# Altium PCB Survey_bicycle_lqfp.PcbDoc
Units mil, origin at the board's own origin, x right, y up, seen from the top; angles counter-clockwise.
Board outline 2270 x 1450 mil, 2 copper layers (Top Layer, Bottom Layer); 80 components, 56 nets, 290 pads, 81 vias.
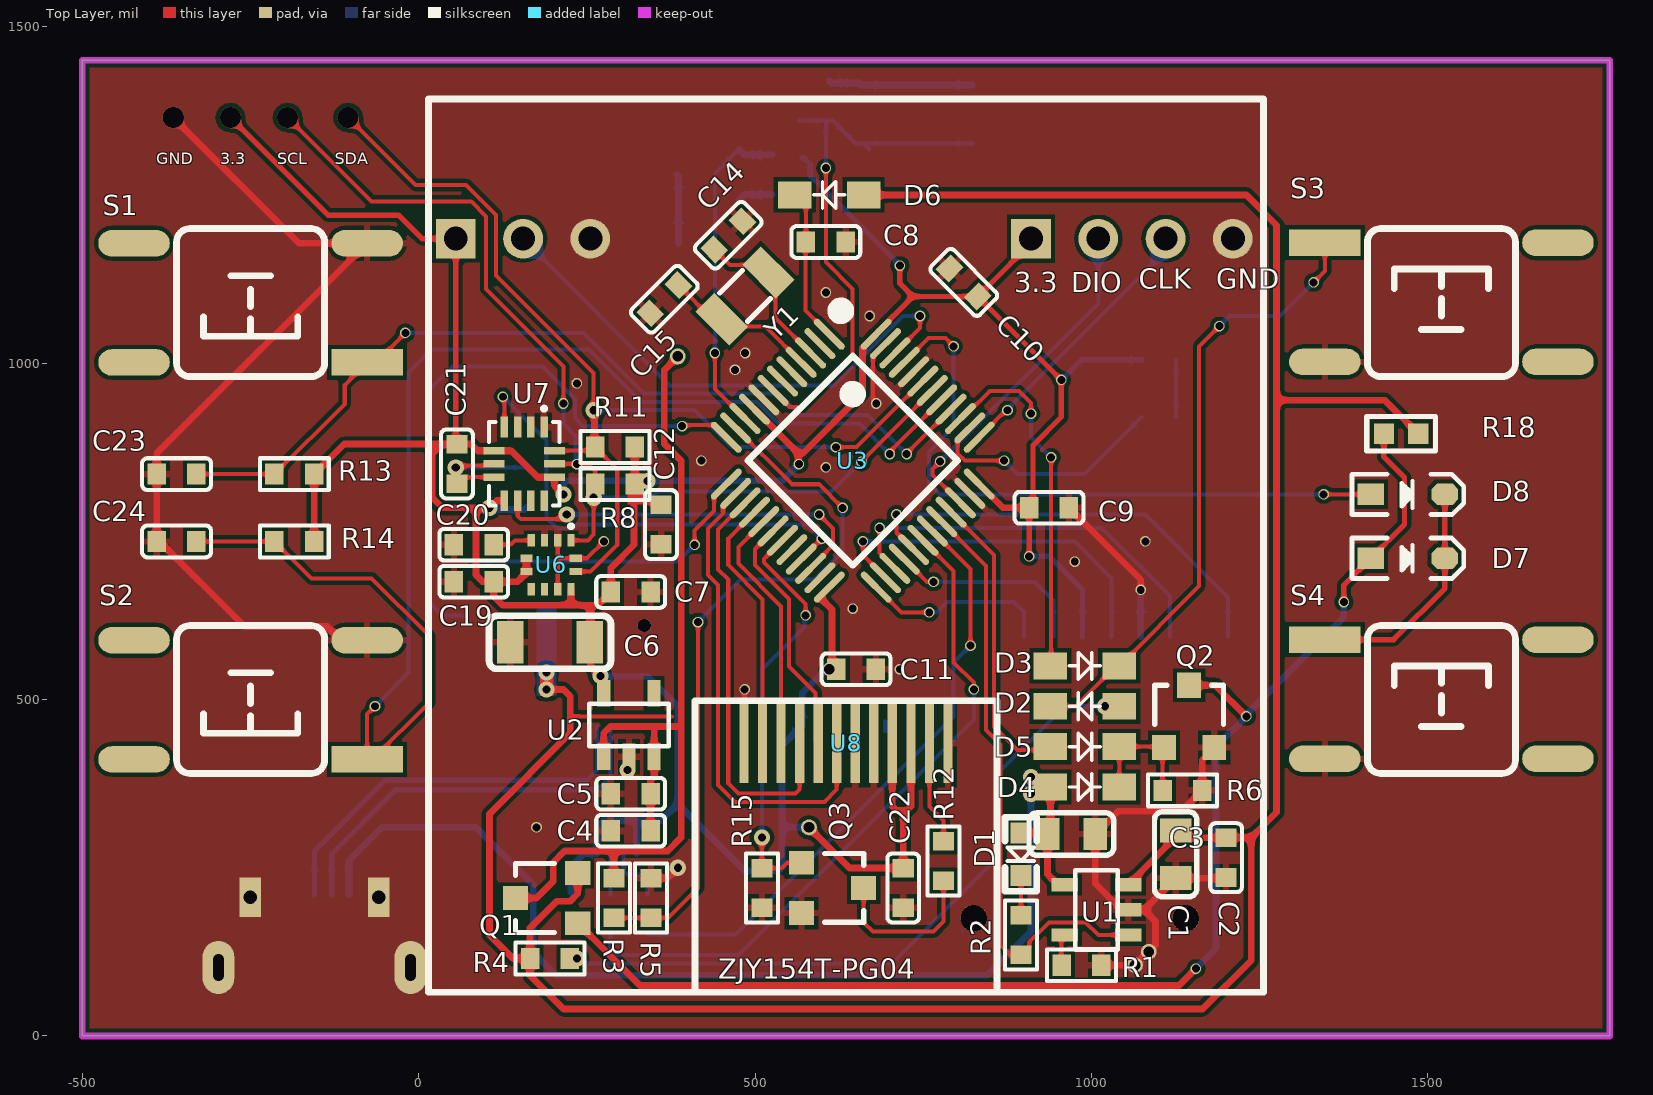
[diagram p0: Top Layer view]
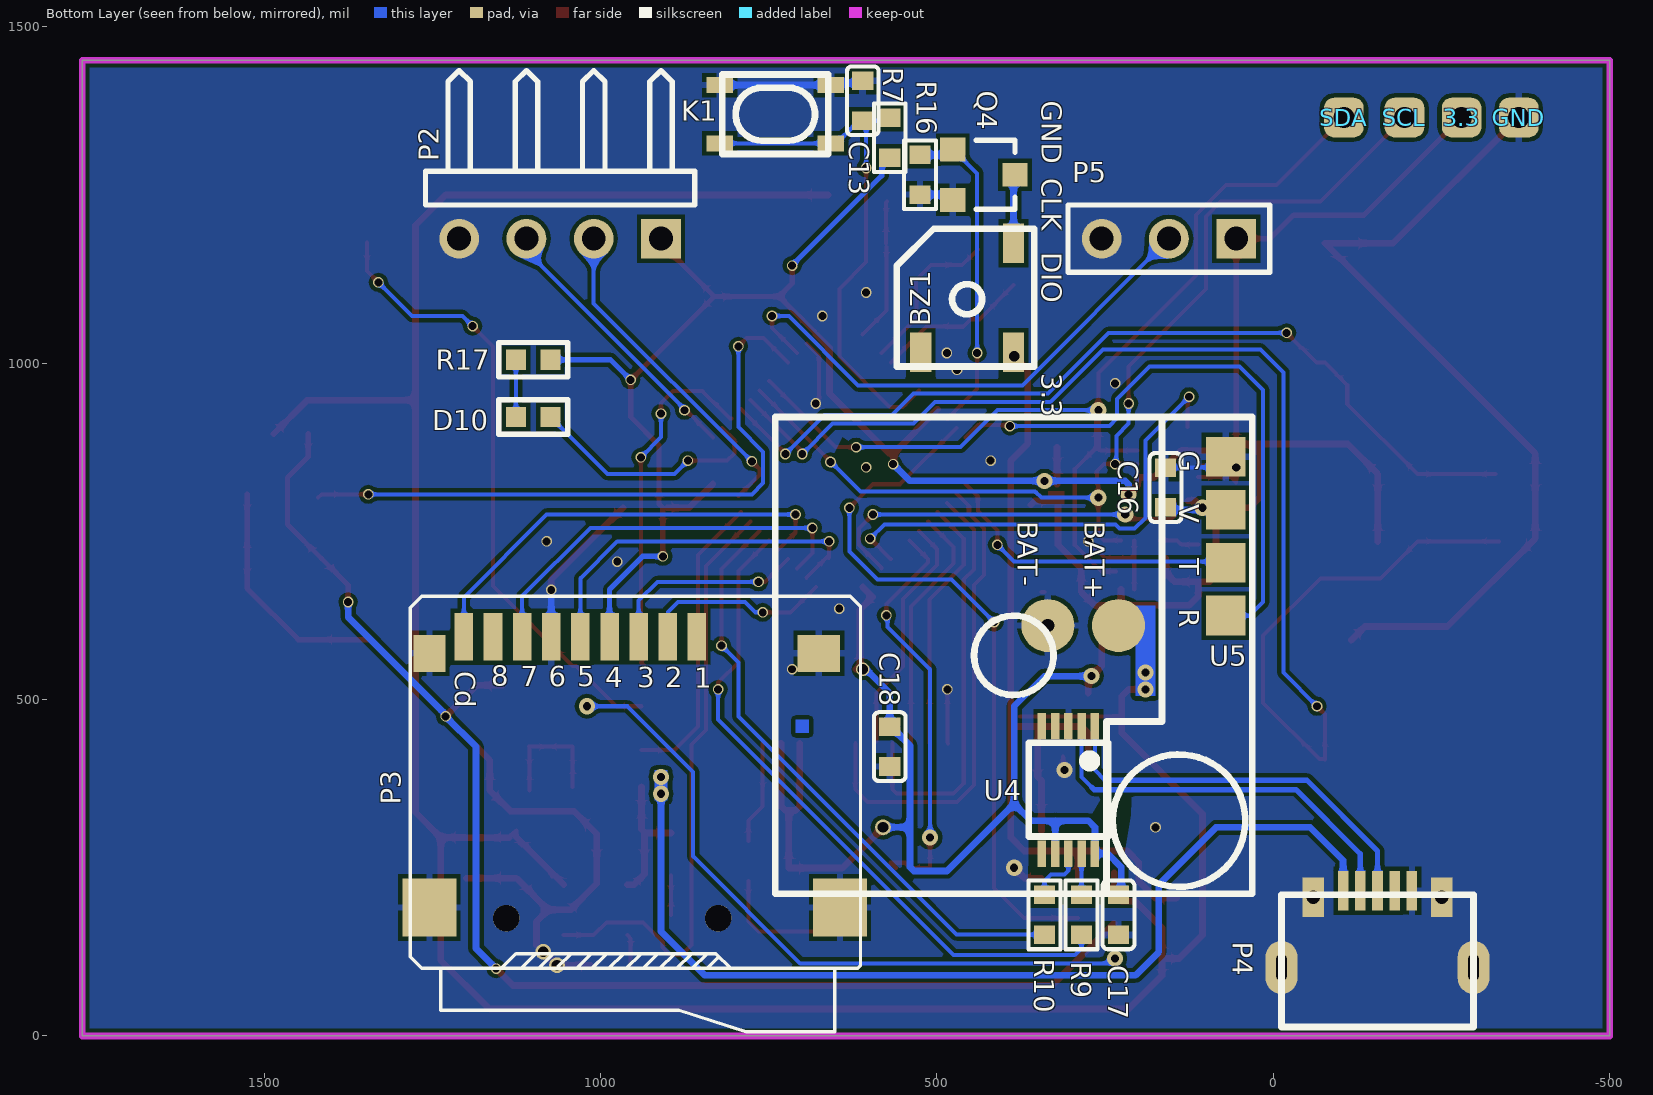
[diagram p1: Bottom Layer view, seen from below]
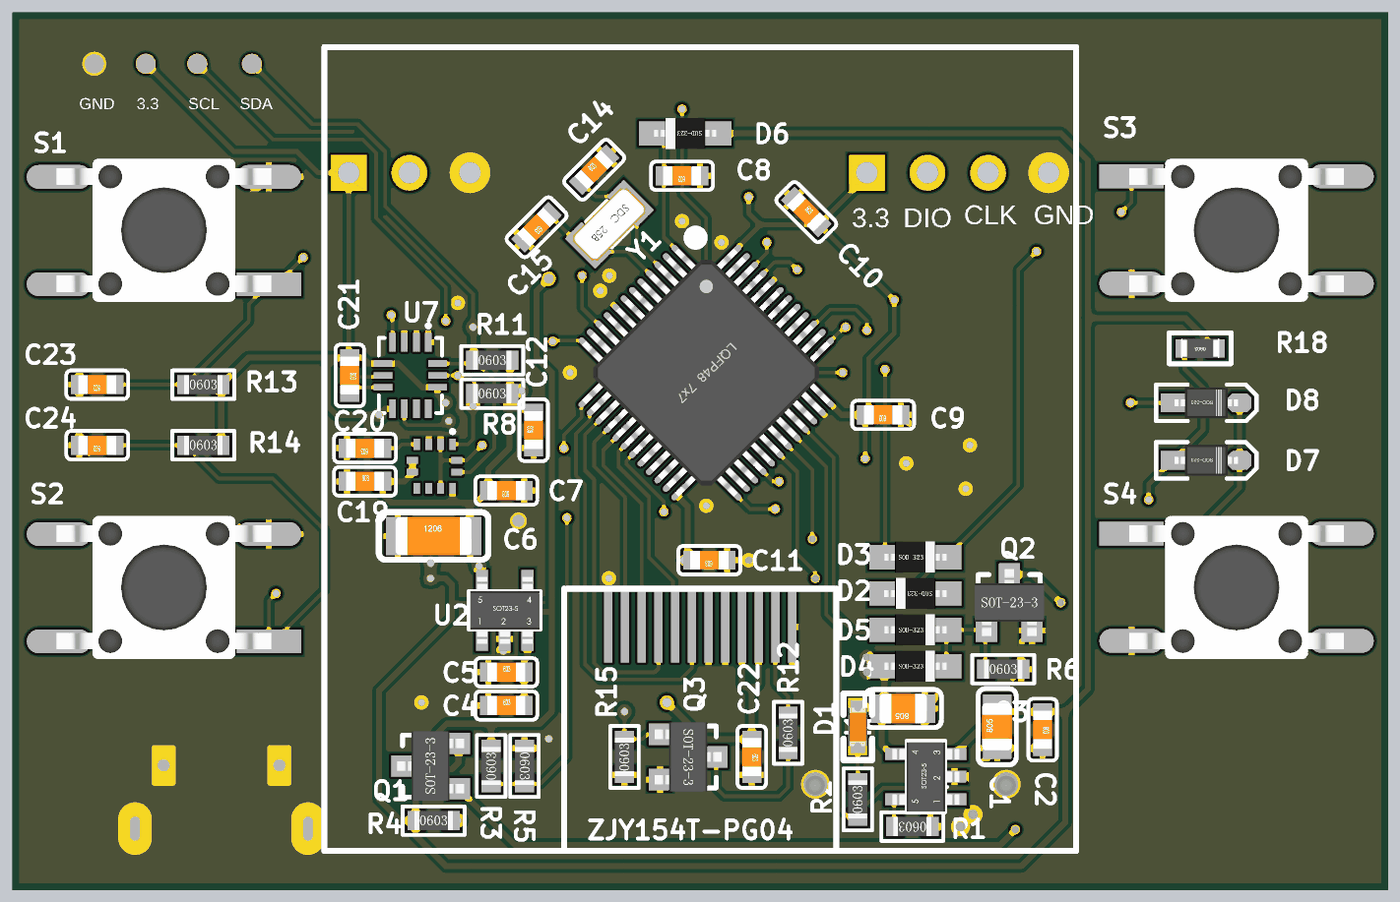
[diagram p2: 3D render of the assembled board from above, using the file's embedded part models]
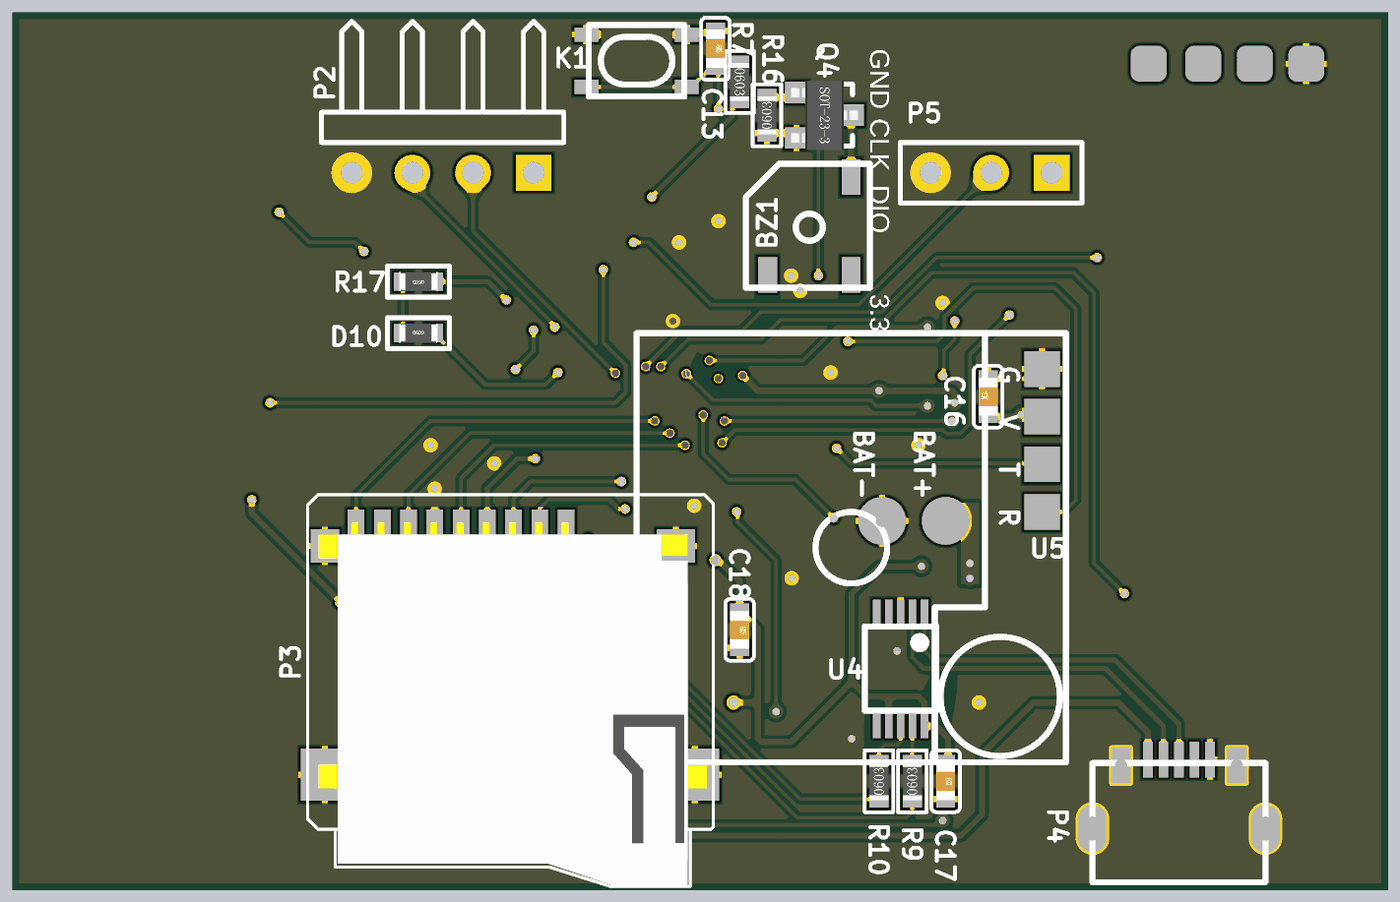
[diagram p3: 3D render of the assembled board from below, using the file's embedded part models]

## Layer stack, top to bottom
Top Solder: solder mask 0.4, Solder Resist, Dk 3.5
Top Layer: signal copper 1.4
Dielectric 1: dielectric 12.6, FR-4, Dk 4.8
Bottom Layer: signal copper 1.4
Bottom Solder: solder mask 0.4, Solder Resist, Dk 3.5

## Board outline
-500,0 -500,1450 1770,1450 1770,0

## Design rules (kind name [scope] priority, off if disabled: settings)
Clearance [All] p1: gap=6 ignorepadtopadclearanceinfootprint=FALSE except(0: Arc-Hole Track-Hole SMDPad-Hole THPad-Hole Via-Hole Fill-Hole Poly-Hole Region-Hole Text-Hole)
ComponentClearance [All] p1 off: gap=10 collisioncheckmode=3 verticalgap=10 showdistances=FALSE
HoleSize [All] p1 off: absolutevalues=TRUE maxlimit=100 minlimit=1 maxpercent=80.000 minpercent=20.000
HoleToHoleClearance [All] p1 off: gap=10 allowstackedmicrovias=TRUE
LayerPairs [All] p1 off: enforce=TRUE
MinimumSolderMaskSliver [All] p1 off: minsoldermaskwidth=10
NetAntennae [All] p1 off: netantennaetolerance=0
PlaneConnect [All] p1: pad.planeconnectstyle=Relief pad.reliefexpansion=20 pad.reliefentries=4 pad.reliefconductorwidth=10 pad.reliefairgap=6 via.planeconnectstyle=Direct via.reliefexpansion=20 via.reliefentries=4 via.reliefconductorwidth=10 via.reliefairgap=6
PolygonConnect [All] p1: thpad.connectstyle=Direct thpad.reliefconductorwidth=10 thpad.reliefentries=4 thpad.polygonreliefangle="90 Angle" thpad.airgapwidth=6 smdpad.connectstyle=Relief smdpad.reliefconductorwidth=10 smdpad.reliefentries=4 smdpad.polygonreliefangle="90 Angle" smdpad.airgapwidth=6 via.connectstyle=Direct via.reliefconductorwidth=10 via.reliefentries=4 via.polygonreliefangle="90 Angle" via.airgapwidth=6
RoutingVias [All] p1: holewidth=12 width=24 viastyle="Through Hole" minholewidth=8 minwidth=12 maxholewidth=16 maxwidth=24
SilkToSilkClearance [All] p1 off: silktosilkclearance=10
SilkToSolderMaskClearance [IsPad] p1 off: minsilkscreentomaskgap=10 clearancetoexposedcopper=TRUE
SolderMaskExpansion [All] p1: expansion=4
Width [All] p1: maxlimit=100 minlimit=6 preferedwidth=6
21 further rules are at their usual default settings.

## Classes and differential pairs
component class X-Track_Power: BAT+ BAT- C1 C2 C3 C4 C5 C6 C7 D1 D2 D3 D4 D5 D7 D8 Q1 Q2 R1 R2 R3 R4 R5 R6 R18 U1 U2
component class X-Track_Sheet: 3.3 BZ1 C8 C9 C10 C11 C12 C13 C14 C15 C16 C17 C18 C19 C20 C21 C22 C23 C24 D6 D10 GND K1 P2 P3 P4 P5 Q3 Q4 R7 R8 R9 R10 R11 R12 R13 R14 R15 R16 R17 S1 S2 S3 S4 SCL SDA U3 U4 U5 U6 U7 U8 Y1

## Components (designator, comment, footprint, x,y, rotation, side; value= is the part's Value field where it differs from the comment)
3.3 "PAD1" PAD1-SMD-C -280,1365 r90 top
BAT+ "BAT_IN" Pad_B 230,610 r90 bottom
BAT- "GND" Pad_B 335,610 r90 bottom
BZ1 "Buzzer" 蜂鸣器_SMD5020 455,1095 r90 bottom
C1 "4.7UF" 电容_C0805 1125,270 r90 top
C2 "104" 电容_C0603 1200,265 r270 top
C3 "4.7UF" 电容_C0805 970,300 r180 top
C4 "104" 电容_C0603 315,305 r0 top
C5 "106" 电容_C0603 315,360 r0 top
C6 "22uF" 电容_C1206 195,585 r0 top
C7 "104" 电容_C0603 315,660 r180 top
C8 "104" 电容_C0603 605,1180 r180 top
C9 "105" 电容_C0603 936.75,785 r180 top
C10 "105" 电容_C0603 810,1120 r315 top
C11 "105" 电容_C0603 650,545 r180 top
C12 "105" 电容_C0603 360,760 r90 top
C13 "104" 电容_C0603 610,1390 r270 bottom
C14 "22pf" 电容_C0603 460,1190 r45 top
C15 "22pf" 电容_C0603 365,1095 r225 top
C16 "105" 电容_C0603 160,815 r90 bottom
C17 "105" 电容_C0603 230,180 r270 bottom
C18 "104" 电容_C0603 570,430 r270 bottom
C19 "104" 电容_C0603 81.71,675.16 r0 top
C20 "104" 电容_C0603 81.71,730.16 r180 top
C21 "104" 电容_C0603 56.71,850.16 r270 top
C22 "104" 电容_C0603 720,220 r270 top
C23 "104" 电容_C0603 -360,835 r180 top
C24 "104" 电容_C0603 -360,735 r180 top
D1 "red" LED_0603 895,270 r270 top
D2 "1N4148" 二极管_SOD-323 990,490 r180 top
D3 "1N4148" 二极管_SOD-323 990,550 r0 top
D4 "1N4148" 二极管_SOD-323 990,370 r0 top
D5 "1N4148" 二极管_SOD-323 990,430 r0 top
D6 "1N4007" 二极管_SOD-323 610,1250 r180 top
D7 "1N4148" SOD-323 1470,710 r0 top
D8 "1N4148" SOD-323 1470,805 r0 top
D10 "LED" R0603_L 1100,920 r180 bottom
GND "PAD1" PAD1-SMD-C -365,1365 r90 top
K1 "SKRP" 开关按键_SKRP 740,1370 r0 bottom
P2 "Header 4" HDR1X4H 910,1185 r0 bottom locked
P3 "Micro_SD" 接插件_Micro_SD 856.54,593.39 r180 bottom locked
P4 "MICRO USB" "接插件_MICRO 牛角插座 USB 直边" -155,210 r0 bottom locked
P5 "Header 3" HDR1X3 55,1185 r0 bottom
Q1 "AO3401" MOS_SOT-23 190,205 r90 top
Q2 "AON3400" MOS_SOT-23 1145,475 r0 top
Q3 "AO3400" MOS_SOT-23 615,220 r270 top
Q4 "AO3400" MOS_SOT-23 430,1280 r270 bottom
R1 "2K" 电阻_R0603 985,105 r180 top
R2 "1K" 电阻_R0603 895,150 r90 top
R3 "20K" 电阻_R0603 290,205 r90 top
R4 "20K" 电阻_R0603 195,115 r0 top
R5 "20K" 电阻_R0603 345,205 r270 top
R6 "20K" 电阻_R0603 1135,365 r0 top
R7 "10K" 电阻_R0603 570,1335 r270 bottom
R8 "10K" 电阻_R0603 291.71,820.16 r0 top
R9 "100R" 电阻_R0603 285,180 r90 bottom
R10 "100R" 电阻_R0603 340,180 r90 bottom
R11 "10K" 电阻_R0603 291.71,875.16 r0 top
R12 "10R" 电阻_R0603 780,260 r90 top
R13 "10K" 电阻_R0603 -185,835 r0 top
R14 "10K" 电阻_R0603 -185,735 r0 top
R15 "10K" 电阻_R0603 510,220 r90 top
R16 "10K" 电阻_R0603 525,1280 r90 bottom
R17 "1K" R0603_L 1100,1005 r0 bottom
R18 "20K" R0603_L 1460,895 r180 top
S1 "SKRP" "SW SMD-6*6*6" -250,1090 r180 top locked
S2 "SKRP" "SW SMD-6*6*6" -250,500 r180 top locked
S3 "SKRP" "SW SMD-6*6*6" 1520,1090 r0 top locked
S4 "SKRP" "SW SMD-6*6*6" 1520,500 r0 top locked
SCL "PAD1" PAD1-SMD-C -195,1365 r90 top
SDA "PAD1" PAD1-SMD-C -105,1365 r90 top
U1 "MCP73831" SOT23-5 1054.49,150 r90 top
U2 "LP5907-3.3" SOT23-5 275,415 r0 top
U3 "AT32F403ACGU7" "LQFP48 7X7_L" 645,855 r225 top locked
U4 "CH340E" 串口_MSOP10 265,460 r0 bottom
U5 "HT1818Z3G5L" GPS-HTZN 740,920 r270 bottom
U6 "LIS3MDL" LGA-12_L2.0-W2.0-P0.50-BL 196.71,700.16 r180 top
U7 "LSM6DSM" LGA-14_L3.0-W2.5-P0.50-BL 156.71,850.16 r180 top
U8 "IPS154-12" "ZJY154T-PG04 FPC 0.7MM" 635,435 r270 top locked
Y1 "32.768K" 晶振_3215 485,1100 r225 top

## Footprints (in the part's own frame and the unit in brackets; to place one, negate y for a bottom-side part, rotate by r counter-clockwise, add the part's x,y. Pads: shape width x height; smd on the part's side, far side on the other; paste and mask are expansions set on the pad)
GPS-HTZN [mm]
  rect 1.5x1.5 smd: 1(1.5,17) 2(3.5,17) 3(5.5,17) 4(7.5,17)
  silkscreen extent 0,0 18,18
HDR1X3 [mm] "Connector; Header; 3 Position"
  rect 1.5x1.5 hole 0.9: 1(0,0)
  round 1.5 hole 0.9: 2(2.54,0) 3(5.08,0)
  silkscreen extent -1.27,-1.27 6.35,1.27
HDR1X4H [mm] "Connector; Header; 4 Position; Right Angle"
  rect 1.5x1.5 hole 0.9: 1(0,0)
  round 1.5 hole 0.9: 2(2.54,0) 3(5.08,0) 4(7.62,0)
  silkscreen extent -1.27,-6.35 8.89,-1.27
LED_0603 [mm]
  rect 0.8x0.8 smd paste-0.1: A(-0.8,0) K(0.8,0)
  silkscreen extent -1.4,-0.6 1.4,0.6, body extent -0.8,-0.4 0.82,0.4, height 0.6
LGA-12_L2.0-W2.0-P0.50-BL [mm]
  rect 0.28x0.465 smd: 1(-0.75,-0.925) 2(-0.25,-0.925) 3(0.25,-0.925) 4(0.75,-0.925) 7(0.75,0.925) 8(0.25,0.925) 9(-0.25,0.925) 10(-0.75,0.925)
  rect 0.465x0.28 smd: 5(0.933,-0.25) 6(0.933,0.25) 11(-0.933,0.25) 12(-0.933,-0.25)
  silkscreen extent -0.82,-1.53 -0.68,-1.38
LGA-14_L3.0-W2.5-P0.50-BL [mm]
  rect 0.28x0.785 smd: 1(-0.75,-1.393) 2(-0.25,-1.393) 3(0.25,-1.393) 4(0.75,-1.393) 8(0.75,1.393) 9(0.25,1.393) 10(-0.25,1.393) 11(-0.75,1.393)
  rect 0.785x0.28 smd: 5(1.142,-0.5) 6(1.142,0) 7(1.142,0.5) 12(-1.142,0.5) 13(-1.142,0) 14(-1.142,-0.5)
  silkscreen extent -1.33,-2.16 1.33,1.58
"LQFP48 7X7_L" [mm] "48脚，体宽7x7mm，脚距0.5mm"
  oval 0.25x1.55 smd: 1(-2.75,-4) 2(-2.25,-4) 3(-1.75,-4) 4(-1.25,-4) 5(-0.75,-4) 6(-0.25,-4) 7(0.25,-4) 8(0.75,-4) 9(1.25,-4) 10(1.75,-4) 11(2.25,-4) 12(2.75,-4) 25(2.75,4) 26(2.25,4) 27(1.75,4) 28(1.25,4) 29(0.75,4) 30(0.25,4) 31(-0.25,4) 32(-0.75,4) 33(-1.25,4) 34(-1.75,4) 35(-2.25,4) 36(-2.75,4)
  oval 1.55x0.25 smd: 13(4,-2.75) 14(4,-2.25) 15(4,-1.75) 16(4,-1.25) 17(4,-0.75) 18(4,-0.25) 19(4,0.25) 20(4,0.75) 21(4,1.25) 22(4,1.75) 23(4,2.25) 24(4,2.75) 37(-4,2.75) 38(-4,2.25) 39(-4,1.75) 40(-4,1.25) 41(-4,0.75) 42(-4,0.25) 43(-4,-0.25) 44(-4,-0.75) 45(-4,-1.25) 46(-4,-1.75) 47(-4,-2.25) 48(-4,-2.75)
  silkscreen extent -3.93,-4.57 2.79,2.79, body extent -4.5,-4.5 4.5,4.5, height 1.45
MOS_SOT-23 [mm]
  rect 0.9x0.95 smd: 1(-0.95,-1.175) 2(0,1.175) 3(0.95,-1.175)
  silkscreen extent -1.3,-0.3 1.3,1.18, body extent -1.45,-1.4 1.45,1.4, height 1.2
PAD1-SMD-C [mm] "引线焊盘"
  rrect50% 1.5x1.5 smd far side: 1(0,0)
Pad_B [mm]
  round 2 smd: 1(0,0)
R0603_L [mil] "1/10W贴片电阻"
  rect 30x30 smd: 1(-25.59,0) 2(25.59,0)
  silkscreen extent -51,-26 51,26, body extent -31,-16 31,16, height 16
SOD-323 [mm] "1.8x1.3X0.9mm（长宽高，不包括引脚）"
  rect 1x0.8 smd: 1(-1.4,0)
  oct 1x0.8 smd: 2(1.4,0)
  silkscreen extent -2.11,-0.76 2.11,0.76, body extent -1.32,-0.65 1.32,0.65, height 0.95
SOT23-5 [mm]
  rect 0.5x1 smd: 1(0,0) 2(0.95,0) 3(1.9,0) 4(1.9,2.4) 5(0,2.4)
  silkscreen extent -0.55,0.4 2.45,2, body extent -0.5,-0.2 2.4,2.6, height 1.09
"SW SMD-6*6*6" [mm] "6*6*6mm                                 淘宝ID:黄晶宝石"
  rect 2.7x1 smd: 1(-4.4,2.261)
  oval 2.7x1 smd: 2(-4.4,-2.239) 3(4.4,-2.239) 4(4.4,2.261)
  silkscreen extent -2.79,-2.79 2.79,2.79, body extent -4.5,-3 4.5,3, height 6.03
"ZJY154T-PG04 FPC 0.7MM" [mm]
  rect 3x0.35 smd: 1(0,3.85) 2(0,3.15) 3(0,2.45) 4(0,1.75) 5(0,1.05) 6(0,0.35) 7(0,-0.35) 8(0,-1.05) 9(0,-1.75) 10(0,-2.45) 11(0,-3.15) 12(0,-3.85)
  silkscreen extent -24.32,-15.76 9.4,15.76
串口_MSOP10 [mm]
  rect 0.32x1 smd: 1(0,0) 2(0.5,0) 3(1,0) 4(1.5,0) 5(2,0) 6(2,4.8) 7(1.5,4.8) 8(1,4.8) 9(0.5,4.8) 10(0,4.8)
  silkscreen extent -0.5,0.62 2.5,4.15
二极管_SOD-323 [mil]
  rect 50x40 smd: A(-51.18,0) K(51.18,0)
  silkscreen extent -23,-20 23,20, body extent -51,-26 51,26, height 39
开关按键_SKRP [mm]
  rect 1x0.6 smd: 1(-2.1,-1.1) 1(2.1,-1.1) 2(-2.1,1.1) 2(2.1,1.1)
  silkscreen extent -2,-1.5 2,1.5
"接插件_MICRO 牛角插座 USB 直边" [mm]
  oval 1.2x2 hole 0.4 slot 1 at 90 deg: 0(-3.625,2.75) 0(3.625,2.75)
  rect 0.8x1.5 hole 0.5: 0(-2.425,0.1) 0(2.425,0.1)
  rect 0.4x1.5 smd: 1(1.3,-0.15) 2(0.65,-0.15) 3(0,-0.15) 4(-0.65,-0.15) 5(-1.3,-0.15)
  silkscreen extent -3.62,0 3.62,5
接插件_Micro_SD [mm]
  rect 2.032x2.2 smd: 0(-10.1,-10.227) 0(5.4,-10.227)
  rect 1.2x1.4 smd: 0(-10.1,-0.627)
  round 1 hole 1 unplated: 0(-7.2,-10.627) 0(0.8,-10.627)
  rect 1.6x1.4 smd: 0(4.6,-0.627)
  rect 0.7x1.8 smd: 1(0,0) 2(-1.1,0) 3(-2.2,0) 4(-3.3,0) 5(-4.4,0) 6(-5.5,0) 7(-6.6,0) 8(-7.7,0) 9(-8.8,0)
  silkscreen extent -10.82,-14.91 6.17,1.52, body extent -10.37,-14.85 5.9,0.34, height 1.8
晶振_3215 [mm] "XTAL SMD 3.2 x 1.5 mm"
  rect 1x1.8 smd: 1(-1.25,0) 2(1.25,0)
  silkscreen extent -0.6,-0.75 0.6,0.75, body extent -1.6,-0.75 1.6,0.75, height 0.81
电容_C0603 [mm]
  rect 0.7x0.8 smd: 1(-0.75,0) 2(0.75,0)
  silkscreen extent -1.3,-0.6 1.3,0.6, body extent -0.8,-0.4 0.8,0.4, height 0.3
电容_C0805 [mm]
  rect 0.9x1.2 smd: 1(-0.9,0) 2(0.9,0)
  silkscreen extent -1.6,-0.8 1.6,0.8, body extent -1,-0.62 1,0.63, height 0.77
电容_C1206 [mm]
  rect 1x1.6 smd: 1(-1.5,0) 2(1.5,0)
  silkscreen extent -2.3,-1 2.3,1, body extent -1.6,-0.8 1.6,0.8, height 1
电阻_R0603 [mm]
  rect 0.7x0.8 smd: 1(-0.75,0) 2(0.75,0)
  silkscreen extent -1.3,-0.6 1.3,0.6, body extent -0.8,-0.4 0.8,0.4, height 0.45
蜂鸣器_SMD5020 [mm]
  rect 1.5x0.8 smd: 0(-2,1.75) 1(-2,-1.75) 2(2.108,-1.753)
  silkscreen extent -2.54,-2.54 2.66,2.66

## Part data
3.3 GND SCL SDA: "引线焊盘"
BAT+ BAT-: library part Pad, _Comma=,, _Funcyusa=Test, _Name=Pad
  BAT+: _Remarks=BAT_IN, _Specification=Pad,Test,BAT_IN
  BAT-: _Remarks=GND, _Specification=Pad,Test,GND
BZ1: library part BZ, _Comma=,, _Footprint=12*9.5mm,SOTËÜ·, _Model=12V, _Name=Buzzer, _Specification=Buzzer,12V,12*9.5mm,SOTËÜ·
C1 C2 C3 C4 C5 C6 C7 C8 C9 C10 C11 C12 C13 C14 C15 C16 C17 C18 C19 C20 C21 C22 C23 C24: library part cap, U=50V, 参数=Cap,0805,X7R,104K,50V,125C,¡
  C1 C3: C=4.7UF
  C2 C4 C7 C8 C13 C18 C19 C20 C21 C22 C23 C24: C=104
  C5: C=106
  C6: C=22uF
  C9 C10 C11 C12 C16 C17: C=105
  C14 C15: C=22pf
D1: library part LED, 参数=LED,0603,R
D2 D3 D4 D5 D6: library part Diode, _Current=1A, _Voltage=40V, _Comma=,, _Footprint=SOD-323, _Name=Diode
  D2 D3 D4 D5: _Model=1N4148, _Specification=Diode,1N4148,SOD-323,1A,40V
  D6: _Model=1N4007, _Specification=Diode,1N4007,SOD-323,1A,40V
D7 D8: library part "Diode 1N4148", "High Conductance Fast Diode", Code_JEDEC=DO-204-AH, ComponentLink1Description="Manufacturer Link", ComponentLink1URL=http://www.fairchildsemi.com/, ComponentLink2Description=Datasheet, ComponentLink2URL=http://www.fairchildsemi.com/ds/1N%2F1N4148.pdf, DatasheetVersion=1997, LatestRevisionDate=17-Jul-2002, LatestRevisionNote="Re-released for DXP Platform.", PackageDescription="Diode, Axial; Body 3.8 x 1.9 mm (LxDia. max), Lead Dia. 0.53 mm (max)", PackageReference=DO-35, Published=8-Jun-2000, Publisher="Altium Limited"
D10: "发光二极管"
K1 S1 S2 S3 S4: library part SW-PB, _Comma=,, _Model=SKRP, _Name=KEY, _Specification=KEY,SKRP,*
P2: "Header, 4-Pin", LatestRevisionDate=17-Jul-2002, LatestRevisionNote="Re-released for DXP Platform.", Publisher="Altium Limited"
P3: _Value=TF,9PIN, _Comma=,, _Model=Micro_SD, _Name=Port, _Specification=Port,Micro_SD,TF,9PIN
P4: library part "MICRO USB 5PIN", _Value=5PIN, _Comma=,, _Model="MICRO USB", _Name=Port, _Specification="Port,MICRO USB,5PIN"
P5: "Header, 3-Pin", LatestRevisionDate=17-Jul-2002, LatestRevisionNote="Re-released for DXP Platform.", Publisher="Altium Limited"
Q1: library part MOSFET-P, _Current=40A, _Voltage=20V, _Comma=,, _Footprint=DFN3.3*3.3, _Model=AO3401, _Name=P-MOSFET, _Specification=P-MOSFET,AO3401,DFN3.3*3.3,40A,20V
Q2 Q3 Q4: library part MOSFET-N, _Current=150A, _Voltage=30V, _Comma=,, _Footprint=DFN5*6, _Name=N-MOSFET
  Q2: _Model=AON3400, _Specification=N-MOSFET,AON3400,DFN5*6,150A,30V
  Q3 Q4: _Model=AO3400, _Specification=N-MOSFET,AO3400,DFN5*6,150A,30V
R1 R2 R3 R4 R5 R6 R7 R9 R10 R15 R16 R18: library part Res, P=1/8W, 参数=Res,0805,0R,±1%,1/8W,100ppm,
  R1: R=2K
  R2: R=1K
  R3 R4 R5 R6 R18: R=20K
  R7 R15 R16: R=10K
  R9 R10: R=100R
R8 R11 R12 R13 R14: library part Res, _Power=1/8W, _Accuracy=1%, _Comma=,, _Drift=100ppm, _Footprint=0805, _Name=Res
  R8 R11 R13 R14: _Specification=Res,0805,10K,1%,1/8W,100ppm, _Value=10K
  R12: _Specification=Res,0805,10R,1%,1/8W,100ppm, _Value=10R
R17: library part R, "贴片电阻"
U1: "线性充电管理控制器"
U2: library part LP5907, "LDO"
U3: library part AT32F403CGU6, _Comma=,, _Footprint=QFN48, _Model=AT32F403ACGU7, _Name=MCU, _Specification=MCU,AT32F403ACGU7,QFN48
U6: library part LIS3DMDL
Y1: library part XTAL_A, _Accuracy=10ppm, _CL=12pF, _Comma=,, _Frequency=32.768K, _Name=CRYSTALS, _Specification=CRYSTALS,32.768K,*,10ppm,12pF
U4: _Comma=,, _Footprint=MSOP10, _Model=CH340E, _Name=USB-UART, _Specification=USB-UART,CH340E,MSOP10

## Free pads (board coordinates)
  round 23.62 hole 15.75: 2(385,1010) 3(1064.53,105) 4(1085,125) 5(580,310)

## Via types
v1: diameter 15.75, hole 11.81, Top Layer to Bottom Layer, 58 vias
v2: diameter 24, hole 12, Top Layer to Bottom Layer, tented both sides, 17 vias
v3: diameter 31.5, hole 31.5, Top Layer to Bottom Layer, 4 vias
v4: diameter 19.68, hole 19.68, Top Layer to Bottom Layer, 1 vias
v5: diameter 19.68, hole 15.75, Top Layer to Bottom Layer, 1 vias

## Nets (pads, with @x,y where several pads share a name; then routed paths per layer and width w, separated by ;. In a path a pad name is that pad's centre, name@x,y a point inside that pad or via, vN(x,y) a via of type N, cw(c..) or ccw(c..) an arc to the next point about the centre after c; other vN are vias at no path point)
3V3: 3.3.1 C6.2 C7.2 C9.2 C10.2 C11.2 C12.2 C16.1 C17.1 C18.1 C19.2 C21.1 C22.1 P2.1 P3.4 P5.1 pad.5 R7.2 R8.2 R11.2 R13.2 R14.2 R17.1 U2.5 U3.9 U3.24 U3.36 U3.48 U4.7 U4.10 U5.2 U6.5 U6.6 U6.10 U7.5 U7.8 U7.12 U8.3 U8.4 | length 6254
  Top Layer w7.87: v3(-280,1365) -135,1220 -30,1220 5,1185 P5.1 55,881.4 C21.1 ; U3.48@682.36,1047.17 734.31,1099.12 ; v1(715,1145) 715,1118.43 734.31,1099.12 ; v1(907.22,712.78) C9.2 912.81,790.59 912.81,877.81 955,920 v1(955,975) C10.2 ; P2.1 910,1178.24 C10.2 ; 734.31,1099.12 C10.2
  Top Layer w10: R14.2 R13.2 -110.79,879.68 34.68,879.68 ; U7.8 115.33,795.33 v2(105,785) 85,785 ; U6.5 U6.6 160,688.44 146.71,675.16 C19.2 ; v2(215,805) 201.69,818.31 U7.12 176.4,830.47 137.03,869.84 U7.5 87.03,869.84 77.19,879.68 C21.1 34.68,879.68 ; U6.10 226.24,640 ; U2.5 275,530 v2(270,535) 255,550 255,640 ; R8.2 R11.2 ; C12.2 354.53,795 320,795 320,730 285.47,695.47 C7.2 265.47,640 255,640 ; U3.9 563.9,866.5 ; v1(565,850) 563.9,851.1 563.9,866.5 ; pad.5 640.47,249.53 C22.1 720,335 ; U3.24 595.71,652.59 595.71,652.48 614.25,633.94 614.25,551.22 C11.2 ; U3.48 659.69,1022.8 659.69,954.69 571.5,866.5 563.9,866.5 ; U8.4 703.9,341.1 710,335 720,335 ; U8.3 731.46,341.46 725,335 720,335 ; U3.36 868.11,785 C9.2@900.47,785 ; 34.68,879.68 20,865 20,800 35,785 85,785 ; 85,785 85,685 94.84,675.16 C19.2 ; C19.2 111.24,653.76 125,640 226.24,640 ; 226.24,640 255,640
  Bottom Layer w7.87: R7.2 571.97,1305.47 581.81,1295.63 581.81,1278.66 715,1145.47 v1(715,1145) ; v1(907.22,712.78) 937.22,712.78 986.46,663.54 P3.4 ; v1(955,975) 985,1005 R17.1
  Bottom Layer w10: U5.2 156.73,782.2 C16.1 ; v2(215,805) 215,820 220,825 v2(340,825) 540,825 v1(565,850) ; C17.1 226.02,213.5 226.02,251.02 246.02,271.02 U4.10 265,310 275,320 324.06,320 ; v2(270,535) 270.37,534.63 340.37,534.63 385,490 385,345 ; U4.7 324.06,320 ; pad.5 540,310 ; v5@615,545 v5(610,545) 605,545 570,510 C18.1 568.03,459.53 540,431.5 540,310 ; 324.06,320 360,320 385,345 ; 385,345 485,245 534.14,245 540,250.86 540,310
BAT: BZ1.1 C4.2 C5.2 pad.2 Q1.2 R3.2 U2.1 U2.3 | length 1385.4
  Top Layer w10: Q1.2 175,205 200,230 200,258.12 216.88,275 290,275 ; U2.1 275,450 285,460 390,460 ; R3.2 290,275 ; C4.2 C5.2 344.53,379.53 350,385 350,414.8 U2.3 349.8,459.8 ; pad.2 365,990 365,880 390,855 390,460 ; 290,275 370,275 390,295 390,460
BAT_CHG_DET: R2.1 U1.1 U3.32 | length 894.4
  Top Layer w6: U3.32 843,698.76 843,455.03 864.53,433.5 864.53,135.47 879.53,120.47 R2.1 896.97,120.47 907.75,131.25 907.75,140 925.41,157.67 936.59,168.84 991.16,168.84 1010,150 U1.1
BAT_DET: R3.1 R5.2 U3.11 | length 1070.1
  Top Layer w6: R3.1 R5.2 370.47,175.47 415,220 v1(415,615) ; U3.11 554.73,820 595,820 v1(630,785)
  Bottom Layer w6: v1(415,615) 478.43,678.43 588.43,678.43 630,720 v1(630,785)
BAT_IN: BAT+.1 C1.2 C2.1 D6.A Q1.3 R4.1 R18.1 U1.3 | length 4185.1
  Top Layer w6: 225,475 376,475 ; C1.2@1125,295.32 C1.2 C1.2@1135.91,294.53
  Top Layer w10: v2(190,515) 215,515 225,505 225,475 225,450 105,330 105,150 140,115 R4.1 ; Q1.3 236.26,211.26 225,200 205,200 165.47,160.47 R4.1 ; D6.A 1230,1250 1275,1205 1275,945 ; U1.3 C1.2@1125,295.32 ; C1.2@1135.91,294.53 C2.1 1200.47,295 1237.5,295 ; R18.1 1435.6,945 1275,945 ; R4.1 165.47,89.53 215,40 1165,40 1237.5,112.5 1237.5,295 ; 1237.5,295 1275,332.5 1275,945
  other v2: 190,540
BUZZ: Q4.1 R16.2 U3.10 | length 486.6
  Top Layer w6: v1(440,1015) 440,961.52 483.9,917.63 U3.10
  Bottom Layer w6: v1(440,1015) 440,1282.13 475.28,1317.4 Q4.1
  Bottom Layer w10: Q4.1 484.13,1309.53 R16.2
EC_A: C23.1 R13.1 S1.1 U3.40 | length 1327.5
  Top Layer w6: C23.1 R13.1 -110,939.53 -110,967.77 S1.1 -64,1001 v1(-20,1045) ; v1(725,865) 725,865.4 U3.40
  Bottom Layer w6: v1(-20,1045) 245,1045 335,955 535,955 566.87,923.13 666.87,923.13 v1(725,865)
EC_B: C24.1 R14.1 S2.1 U3.41 | length 2146.3
  Top Layer w6: C24.1@-335.47,735 C24.1 R14.1 -159.53,680 -70,680 15,595 15,495 -68.58,411.42 S2.1@-76.77,411.42 ; S2.1 S2.1@-76.77,411.42 ; v1(-65,490) -76.77,478.23 S2.1@-76.77,411.42 ; v1(700,865) 700,868.24 U3.41
  Bottom Layer w6: v1@-65,485 v1(-65,490) -15,540 -15,986.2 18.8,1020 253.03,1020 331.03,942 503,942 535,910 655,910 v1(700,865)
EC_C: D3.A U3.39 | length 545.5
  Top Layer w6: U3.39 807.54,917.63 848.68,958.76 891.99,958.76 910,940.75 v1(910,925) ; D3.A@939.97,565.4 v1(939.97,860) ; D3.A@940,545.37 935,550.37 940,555.37 935,560.37 D3.A@940,565.37
  Bottom Layer w6: v1(910,925) 910,890 v1(939.97,860)
EC_D: D8.1 U3.45 | length 982.7
  Top Layer w6: U3.45 757.7,1037.3 782.7,1037.3 v1(795,1025) ; v1(1345,805) D8.1 D8.1@1419.88,800
  Bottom Layer w6: v1(795,1025) 795,905 758.13,868.13 758.13,821.87 775,805 v1(1345,805)
EC_KEY: D2.K D3.K S3.1 | length 926.7
  Top Layer w6: D2.K 976.18,490 1036.18,550 D3.K 1160,668.82 1160,1025 v1(1190,1055) ; v1(1330,1120) 1346.77,1136.77 S3.1
  Bottom Layer w6: v1(1190,1055) 1205,1070 1280,1070 v1(1330,1120)
EC_POW: D7.2 D8.2 S4.1 | length 349.8
  Top Layer w7.87: S4.1 1449,589 1525.12,665.12 D7.2 D8.2
GND: BAT-.1 C1.1 C2.2 C3.1 C4.1 C5.1 C6.1 C7.1 C8.1 C9.1 C10.1 C11.1 C12.1 C13.1 C14.2 C15.2 C16.2 C17.2 C18.2 C19.1 C20.2 C21.2 C22.2 C23.2 C24.2 GND.1 K1.1 P2.4 P3.0 P3.6 P4.0 P4.5 P5.3 pad.3 pad.4 Q2.3 Q3.3 Q4.3 R1.1 R5.1 R6.2 R15.1 R16.1 S1.2 S2.2 S3.2 S4.2 U1.2 U2.2 U3.8 U3.23 U3.35 U3.44 U3.47 U4.3 U5.1 U6.2 U6.3 U6.9 U6.12 U7.1 U7.2 U7.3 U7.6 U7.7 U8.1 U8.5 U8.6 U8.12 | length 3136.1
  Top Layer w6: U7.7 63.13,830.47 55,822.34 v2(55,845) 57.64,847.64 109.22,847.64 U7.6 ; U6.9 206.56,710 ; U6.2 206.56,710 ; v1(275,735) 250,710 U6.12 206.56,710 ; v2(310,395) 312.4,397.4 U2.2 ; C7.1@340,660 C7.1 ; U8.12 484.21,435.79 v1(484.21,515.21) ; v1(680,940) 675,945 675,1010.27 U3.47 ; C2.2@1199.09,234.57 C2.2
  Top Layer w10: v3(-365,1365) -178.17,1178.17 S1.2 -389.53,865.41 C23.2 -389.53,739.53 -258.58,608.58 -136.14,608.58 S2.2@-116.14,588.58 ; R5.1 369.53,234.53 v2(385,250) ; C9.1 1073.07,678.2 v1(1073.07,663.07) ; R1.1 pad.3 pad.4@1084.76,125.24 ; pad.4 1095,135 1095,170.24 1077.83,187.4 ; Q2.3 1182.4,427.76 1164.53,409.88 R6.2 1133.68,334.15 1039.58,334.15 C3.1 1005.43,226.61 1044.65,187.4 U1.2 1077.83,187.4 ; C2.2@1199.09,234.57 C1.1 1077.83,187.4
  Bottom Layer w6: v2(55,845) 159.53,845 C16.2
  Bottom Layer w10: Q4.3 484.13,1250.47 R16.1 ; C13.1 613.11,1416.42 654.21,1416.42 657.32,1413.31 K1.1@822.68,1413.31 ; P3.6 v1(1073.07,663.07)
  other v1: 175,310 715,545 645,635 975,705 1080,735 605,845 420,855 235,970 470,990 485,1015 670,1070 605,1105
  other v4: 335,610
GPS_RX: U3.12 U5.4 | length 897.4
  Top Layer w6: v1(391.44,906.44) 392.88,907.88 439,907.88 U3.12
  Bottom Layer w6: U5.4 35.28,624.72 15,645 15,960 50,995 183.86,995 231.87,946.99 231.87,918.13 243.56,906.44 v1(391.44,906.44)
GPS_TX: U3.13 U5.3 | length 460
  Top Layer w6: v1(410,730) 410,751.38 439,780.38 439,802.12 U3.13
  Bottom Layer w6: U5.3 72.24,705 385,705 v1(410,730)
HALL_SWITCH: P5.2 U3.46 | length 818.4
  Top Layer w6: U3.46 745,1052.44 v1(745,1070)
  Bottom Layer w6: P5.2 373,967 617,967 720,1070 v1(745,1070)
  Bottom Layer w7.87: P5.2 P5.2@180,1185
IMU_INT1: U3.21 U7.4 | length 722.7
  Top Layer w6: v1(125,950) 127.18,947.82 U7.4 ; U3.21 568.66,708.86 598.81,739.01 v1(599.01,739.01)
  Bottom Layer w6: v1(125,950) 190,885 190,770 206,754 228.7,754 234.7,760 578.03,760 v1(599.01,739.01)
IMU_INT2: U3.22 U7.9 | length 577.8
  Top Layer w6: U7.9 146.87,773.13 151.87,768.13 213.13,768.13 v2(220,775) ; U3.22 582.37,695.98 615.89,729.49 615.89,754.11 v1(595,775)
  Bottom Layer w6: v2(220,775) v1(595,775)
LED0: D10.2 U3.38 | length 366.8
  Top Layer w6: U3.38 800.88,885.61 800.88,865.93 811.81,855 v1(870,855)
  Bottom Layer w6: v1(870,855) 890,835 989.42,835 D10.2
MCU_RX: R10.1 U3.31 | length 898.9
  Top Layer w6: U3.31 820,693.92 v1(820,580)
  Bottom Layer w6: R10.1 470.47,150.47 795,475 795,555 v1(820,580)
MCU_SCL: R8.1 SCL.1 U3.42 U6.1 U7.13 | length 1547.5
  Top Layer w6: v3(-195,1365) -70,1240 78.03,1240 100,1218.03 100,1110 215,995 v1(215,940) ; U7.13 251.71,850.16 262.19,839.68 R8.1 260,817.97 v2(260,800) 260,745 251.57,736.57 U6.1 ; v1(658.07,853.07) 658.07,854.15 U3.42
  Bottom Layer w6: v1(215,940) 215,910 233.13,891.87 233.13,851.87 v1(235,850) ; v2(260,800) 344.75,800 352.99,808.25 353.17,808.25 353.75,808.82 354.05,808.82 354.56,809.33 613.25,809.33 656.99,853.07 v1(658.07,853.07)
MCU_SDA: R11.1 SDA.1 U3.43 U6.11 U7.14 | length 1538.2
  Top Layer w6: v3(-105,1365) -5,1265 70,1265 115,1220 115,1130 260,985 v2(260,930) ; U7.14 256.87,869.84 R11.1 295,842.34 295,730 255.31,690.31 U6.11 ; v1(620,875) 650.54,875 748.84,973.3 U3.43
  Top Layer w10: v2(260,930) 261.09,928.91 261.09,876.25 R11.1
  Bottom Layer w6: v2(260,930) 410,930 465,875 v1(620,875)
MCU_TX: R9.1 U3.30 | length 1007.6
  Top Layer w6: U3.30 795,691.08 795,555 825,525 v1(825,515)
  Bottom Layer w6: R9.1 285,130 295,120 475,120 825,470 v1(825,515)
NetBZ1_2: BZ1.2 Q4.2 | length 102.9
  Bottom Layer w10: Q4.2 386,1277.74 BZ1.2
NetC20_1: C20.1 U6.4 | length 58.6
  Top Layer w6: C20.1 136.71,730.16 143.13,736.57 U6.4
NetD1_K: D1.K R2.2 | length 59
  Top Layer w6: R2.2 D1.K
NetD2_A: D2.A R4.2 | length 1019.4
  Bottom Layer w6: v2(235,115) 242,108 703,108 862.08,267.08 862.08,392.08 960,490 v2(1020,490)
NetD4_K: D4.K D5.K Q2.1 R6.1 | length 190.5
  Top Layer w6: D4.K D5.K 1106.34,430 1105.47,429.13 R6.1
NetD7_1: D7.1 Q1.1 Q2.2 R18.2 | length 2007.7
  Top Layer w7.87: v1(1375,645) 1375,670.12 D7.1 1465,760.12 1465,830 1434.41,860.59 R18.2
  Top Layer w10: Q1.1 328.86,75 1130,75 v1(1155,100) ; Q2.2 1183.74,521.26 v1(1230,475)
  Bottom Layer w10: v1(1155,100) 1185,130 1185,430 v1(1230,475) 1230,477.79 1375,622.79 v1(1375,645)
NetD10_1: D10.1 R17.2 | length 85
  Bottom Layer w6: D10.1 R17.2
NetP4_2: P4.2 U4.2 | length 597.3
  Bottom Layer w6: 270,370 284.68,384.68 U4.2
  Bottom Layer w7.87: P4.2@-129.41,210 P4.2 -129.41,270.59 -33.87,366.13 266.13,366.13 270,370
NetP4_3: P4.3 U4.1 | length 599.7
  Bottom Layer w6: 250,380 265,395 U4.1
  Bottom Layer w7.87: P4.3@-155,210 P4.3 -155,275 -50,380 250,380
NetQ3_2: Q3.2 R12.1 | length 242.4
  Top Layer w6: Q3.2 661.26,168.74 675,155 765,155 780,170 R12.1
NetR1_2: R1.2 U1.5 | length 47.3
  Top Layer w6: R1.2 955,105.47 955,145 U1.5
NetR9_2: R9.2 U4.9 | length 61.6
  Bottom Layer w6: U4.9 285,270.71 R9.2
NetR10_2: R10.2 U4.8 | length 88
  Bottom Layer w6: U4.8 304.37,245.63 310,240 330,240 340,230 R10.2
OSC32_IN: C14.1 U3.3 Y1.1 | length 241.3
  Top Layer w6: C14.1 462.31,1145.93 508.66,1145.93 Y1.1 530.93,1123.66 530.93,1100.07 530,1099.13 530,1067.44 U3.3
OSC32_OUT: C15.1 U3.4 Y1.2 | length 230.5
  Top Layer w6: C15.1 436.56,1065.2 Y1.2 461.34,1054.07 484.93,1054.07 485.46,1054.6 515,1054.6 U3.4
PWR_EN: D5.A U3.33 | length 443.2
  Top Layer w6: U3.33 855,714.6 855,460 890,425 D5.A@938.82,425
RST: C13.2 K1.2 R7.1 U3.7 | length 812.7
  Top Layer w6: U3.7 551.08,935 570,935 645,1010 645,1110 605,1150 v1(605,1290)
  Bottom Layer w6: R7.1@565,1360.47 C13.2 ; v1(605,1290) 605,1355.47 C13.2 ; K1.2@670.01,1317.88 K1.2@661.19,1326.69 ; K1.2@822.68,1326.69 K1.2@661.19,1326.69 ; C13.2 615.67,1360.47 649.45,1326.69 657.32,1326.69 K1.2@661.19,1326.69
SCR_BLK: Q3.1 R15.2 U3.19 | length 625.3
  Top Layer w6: R15.2 539.53,249.53 547.4,257.4 Q3.1 560.87,249.53 Q3.1@560.39,250 ; v2(510,295) 510,249.91 R15.2@510.42,249.49 ; U3.19 512.93,709.01 512.93,704.04 575,641.97 v1(575,625)
  Bottom Layer w6: v2(510,295) 510,545 573.13,608.13 573.13,623.13 v1(575,625)
SCR_CS: U3.18 U8.8 | length 365.5
  Top Layer w6: U3.18 500,723.92 500,700 550.54,649.46 550.54,549.46 590,510 590,438.66 U8.8
SCR_DC: U3.14 U8.7 | length 719.4
  Top Layer w6: U3.14 452.19,787.46 452.19,776.59 430,754.41 430,685 445,670 445,373.03 470.03,348 603,348 621.22,366.22 U8.7
SCR_LEDK: R12.2 U8.2 | length 154.2
  Top Layer w6: U8.2 759.02,340.98 780,320 R12.2
SCR_RES: U3.16 U8.11 | length 380.7
  Top Layer w6: U3.16 460,739.6 460,700 510.98,649.02 U8.11
SCR_SCL: U3.15 U8.9 | length 623.9
  Top Layer w6: U3.15 445,752.44 445,693.06 460,678.06 460,375 475,360 560,360 566.1,366.1 U8.9
SCR_SDA: U3.17 U8.10 | length 371.5
  Top Layer w6: U3.17 475,726.76 475,701.97 538.54,638.43 U8.10
SD_CD: P3.9 U3.29 | length 665.3
  Top Layer w6: v1(710,775) 710,748.24 U3.29
  Bottom Layer w6: v1(710,775) 1080,775 1202.99,652.01 P3.9
SD_CS: P3.2 U3.25 | length 284.9
  Top Layer w6: U3.25 717.28,629.6 v1(758.75,629.6)
  Bottom Layer w6: v1(758.75,629.6) 769.6,629.6 785,645 885,645 899.84,630.16 P3.2
SD_MISO: P3.7 U3.27 | length 603
  Top Layer w6: v1(685,755) 685,717.56 U3.27
  Bottom Layer w6: v1(685,755) 1015,755 1116.38,653.62 P3.7
SD_MOSI: P3.3 U3.28 | length 300.8
  Top Layer w6: U3.28 755.4,675 v1(765,675)
  Bottom Layer w6: v1(765,675) 915,675 943.15,646.85 P3.3
SD_SCK: P3.5 U3.26 | length 551.2
  Top Layer w6: 660,710.75 660,714.73 ; v1(660,735) 660,714.73 ; U3.26 660,714.73
  Bottom Layer w6: v1(660,735) 975,735 1029.76,680.24 P3.5
SWCLK: P2.3 U3.37 | length 411.1
  Top Layer w6: U3.37 873.11,930 v1(875,930)
  Bottom Layer w6: v1(875,930) 875,931.89 1110,1166.89 P2.3
SWDIO: P2.2 U3.34 | length 501.5
  Top Layer w6: v1@775,850 v1(775,853.86) 763.72,842.58 763.72,833.72 U3.34@795.06,802.37
  Bottom Layer w6: v1(775,853.86) 1010,1088.86 P2.2
USB_VCC: C3.2 D1.A D4.A P4.1 U1.4 | length 1657.8
  Top Layer w10: D1.A C3.2@933.07,301.5 ; D4.A 938.82,307.24 C3.2@933.07,301.5 ; U1.4 950.16,224.8 934.57,240.39 C3.2 C3.2@933.07,301.5
  Bottom Layer w10: P4.1@-103.82,210 -103.82,261.18 -55,310 85,310 170,225 170,125 205,90 844.8,90 910,155.2 v2@910,348.52
  other v2: 910,360 910,385
VBAT: C8.2 D6.K U3.1 | length 206.9
  Top Layer w6: D6.K@573.82,1240 575.47,1238.35 C8.2 C8.2@575.47,1178.03 ; C8.2@575,1172.56 575,1078.11 U3.1
pads on no net: BZ1.0 P3.1 P3.8 P4.4 S1.3 S1.4 S2.3 S2.4 S3.3 S3.4 S4.3 S4.4 U2.4 U3.2 U3.5 U3.6 U3.20 U4.4 U4.5 U4.6 U6.7 U6.8 U7.10 U7.11

## Polygon pours and split planes (outlines as drawn)
GND on Top Layer "Top Layer-GND" (solid, remove dead copper, pour order 2): -500,1450 1770,1450 1770,0 -500,0
GND on Bottom Layer "Bottom Layer-GND" (solid, remove dead copper, pour order 4): -500,1450 1770,1450 1770,0 -500,0

## Keep-outs
Keep-Out Layer:
  the board outline again, w10

## Other copper
Top Layer:
  rectangle net BAT_IN: 180,505 200,545
  rectangle net 3V3: 310,790 335,810
Bottom Layer:
  rectangle net BAT_IN: 175,505 205,640
  rectangle net USB_VCC: 900,350 920,395
  rectangle net 3V3: 690,450 710,470
  pour cut-out: 210.16,354.41 211.18,328.82 220,275 230,200 230,195 365,195 364.29,309.64 280,310 254.41,354.41
  pour cut-out: 535,800 540,825 640,890 658.07,853.07 603.92,800

## Silkscreen, mask and mechanical layers (free items; w line width, h text height)
Top Overlay:
  text "CLK" at 1070,1100 h51.18
  text "GND" at 1185,1100 h51.18
  text "3.3" at 885,1095 h51.18
  text "DIO" at 970,1095 h51.18
Bottom Overlay:
  text "GND" at 354.43,1390 h51.18 r90
  text "CLK" at 354.43,1275 h51.18 r90
  text "DIO" at 354.43,1165 h51.18 r90
  text "3.3" at 354.43,985 h51.18 r90
Mechanical 1:
  lines w10: 70,1450 1200,1450 ; 80,0 1190,0

## Text inside footprints (layer, text, board x,y; h text height)
P3: Bottom Overlay "1" at 860.54,517.39 h30; Bottom Overlay "2" at 903.54,518.39 h30; Bottom Overlay "3" at 945.54,518.39 h30; Bottom Overlay "4" at 992.54,518.39 h30; Bottom Overlay "5" at 1034.54,519.39 h30; Bottom Overlay "6" at 1076.54,519.39 h30; Bottom Overlay "7" at 1118.54,519.39 h30; Bottom Overlay "8" at 1162.54,520.39 h30; Bottom Overlay "Cd" at 1215.54,542.39 h30 r90
U5: Bottom Overlay "G" at 140,870 h30 r90; Bottom Overlay "V" at 140,790 h30 r90; Bottom Overlay "T" at 140,710 h30 r90; Bottom Overlay "R" at 140,635 h30 r90
U8: Top Overlay "ZJY154T-PG04" at 445,85 h30